# Altium PCB TCM.PcbDoc (part 6 of 10) (continued)
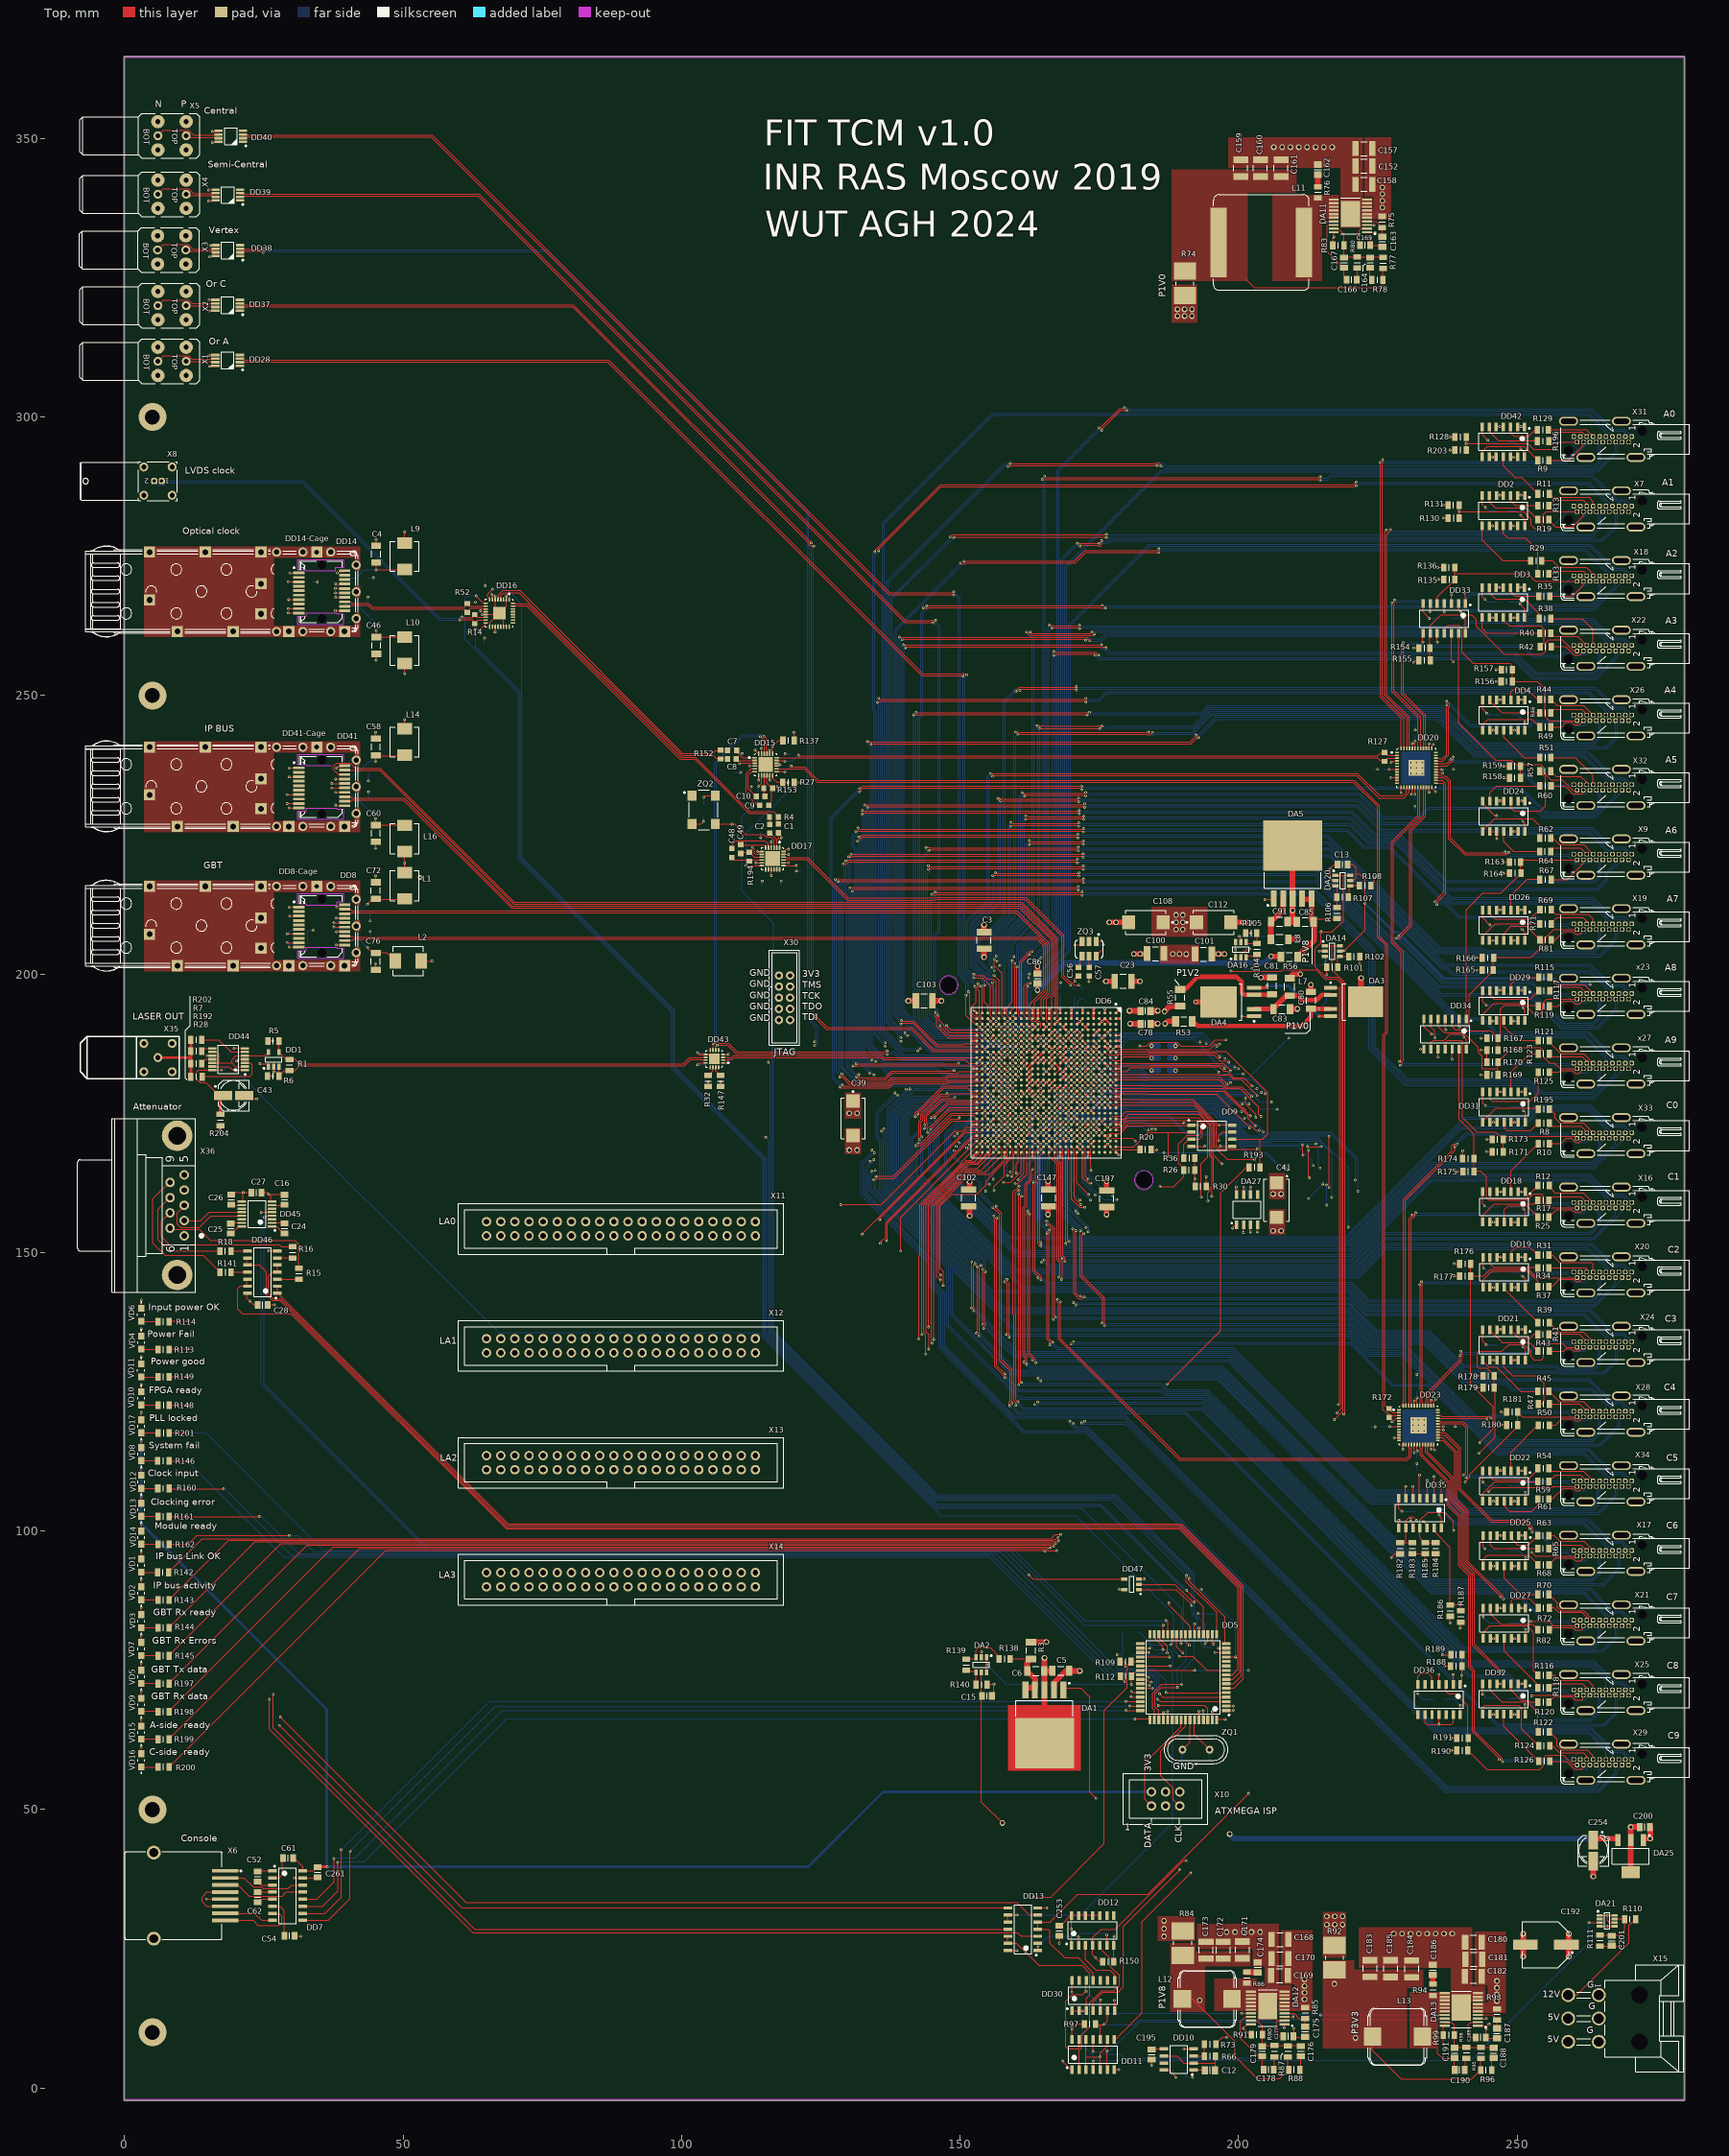
[diagram p0: Top view]
## Nets (pads, with @x,y where several pads share a name; then routed paths per layer and width w, separated by ;. In a path a pad name is that pad's centre, name@x,y a point inside that pad or via, vN(x,y) a via of type N, cw(c..) or ccw(c..) an arc to the next point about the centre after c; other vN are vias at no path point) (continued)
HDMIC7.TCM_DA1_N: DD6.R20 X21.9 | length 169.7
  Top w0.1: v1(163.5,174.5) DD6.R20@164,174
  L3 w0.1: v1(163.5,174.5) 164.095,173.904 164.095,168.453 164.064,168.421 164.064,166.38 163.841,166.157 163.841,165.5
  L3 w0.17: 163.841,165.5 163.841,164.453 162.682,163.294 162.682,160.501 163.28,159.903 163.28,142.313 164.42,141.173 164.42,127.652 164.475,127.597 164.475,127.025 v1(164.5,127)
  Bot w0.17: v1(164.5,127) 164.7,127.2 196.18,127.2 203.781,119.598 203.781,119.577 203.962,119.396 203.962,119.375
  Bot w0.2: 203.962,119.375 234.585,88.752 261.888,88.752 265.98,84.66 X21.9@265.98,84
HDMIC7.TCM_DA1_P: DD6.T20 X21.7 | length 171
  Top w0.1: v1(162.5,174.5) DD6.T20@163,174
  L3 w0.1: v1(162.5,174.5) 163.895,173.105 163.895,168.536 163.764,168.404 163.764,166.483 163.521,166.24 163.521,165.5
  L3 w0.17: 163.521,165.5 163.521,164.586 162.362,163.427 162.362,160.368 162.96,159.77 162.96,142.18 164.1,141.04 164.1,127.5 v1(164,127.4)
  Bot w0.17: v1(164,127.4) 164.228,127.4 164.348,127.52 196.312,127.52 204.116,119.716
  Bot w0.2: 204.116,119.716 234.73,89.102 262.033,89.102 X21.7@267.135,84
HDMIC7.TCM_DT0_N: DD6.AA20 X21.6 | length 193.2
  Top w0.1: v1(157.5,174.5) DD6.AA20@158,174
  Top w0.2: v1(156.6,156.2) 156.6,129.7 v1(158.1,128.2)
  Bot w0.1: 150.5,173.05 150.9,173.05 152.755,174.905 156.958,174.905 157.363,174.5 v1(157.5,174.5)
  Bot w0.2: 150.5,173.05 149.445,173.05 147.6,171.205 147.6,165.226 155.76,157.066 156.261,157.066 156.548,156.779 156.548,156.252 v1(156.6,156.2) ; v1(158.1,128.2) 158.59,127.71 158.59,127.477 160.667,125.4 186.305,125.4 187.005,124.7 194.079,124.7 240.121,78.658 240.179,78.6 240.25,78.6 240.528,78.55 263.511,78.55 263.622,78.582 263.629,78.584 263.63,78.585 ccw(c263.032,80.41) 263.674,78.6 265.255,78.6 265.314,78.659 267.691,81.035 267.691,82.978 X21.6@267.712,83
HDMIC7.TCM_DT0_P: DD6.AA19 X21.4 | length 194.9
  Top w0.1: v1(157.5,175.5) DD6.AA19@158,175
  Top w0.2: v1(156.058,156.576) 156.11,156.525 156.11,155.997 156.25,155.857 156.25,129.555 157.61,128.195 157.61,127.997 158.1,127.507 v1(158.1,127.5)
  Bot w0.1: 150.5,173.4 150.964,173.4 152.669,175.105 154.664,175.105 157.105,175.105 v1(157.5,175.5)
  Bot w0.2: 147.4,171.5 147.25,171.35 147.25,165.081 155.615,156.716 155.918,156.716 v1(156.058,156.576) ; 147.4,171.5 149.3,173.4 150.5,173.4 ; v1@158.24,127.332 160.522,125.05 186.16,125.05 186.86,124.35 193.934,124.35 240.034,78.25 265.4,78.25 268.041,80.89 268.041,82.173 X21.4@268.866,83
HDMIC7.TCM_DT1_N: DD6.AE20 X21.3 | length 198.4
  Top w0.1: 150.5,173.665 152.656,173.665 152.8,173.521 153.521,173.521 DD6.AE20@154,174
  Top w0.2: v1(134.5,163.1) 134.61,163.21 135.103,163.21 135.208,163.315 138.189,163.315 148.539,173.665 150.5,173.665
  Bot w0.2: v1(134.5,163.1) 134.5,161.313 148.315,147.498 148.315,138.817 159.232,127.9 196.427,127.9 234.875,89.452 262.946,89.452 267.065,85.333 268.772,85.333 269.445,84.66 X21.3@269.445,84
HDMIC7.TCM_DT1_P: DD6.AD20 X21.1 | length 200
  Top w0.1: v1(154.5,174.5) DD6.AD20@155,174
  Top w0.2: v1(134.9,163.7) 138.079,163.7 148.394,174.015 149.695,174.015 v1(149.858,174.178)
  L3 w0.1: 150.494,174.178 151.171,174.178 151.493,174.5 v1(154.5,174.5)
  L3 w0.17: v1(149.858,174.178) 150.494,174.178
  Bot w0.2: v1(134.9,163.7) 134.9,163.393 134.99,163.303 134.99,162.897 134.9,162.807 134.9,161.408 148.665,147.643 148.665,138.962 159.377,128.25 196.572,128.25 235.02,89.802 263.091,89.802 267.21,85.683 268.917,85.683 X21.1@270.6,84
HDMIC8.TCM_DA0_N: DD6.T19 X25.12 | length 186.3
  Top w0.1: DD6.T19@163,175 v1(163.5,175.5)
  Top w0.2: v1(160.4,123.2) 160.051,123.549 160.051,138.9 159.9,139.051 159.9,160.705 160.395,161.2 v1(160.6,161.2)
  Bot w0.1: 161.315,165.5 161.315,166.494 162.605,167.784 162.605,170.837 162.673,170.905 162.746,170.905 163.095,171.254 163.095,171.327 163.105,171.337 163.105,174.663 163.5,175.059 v1(163.5,175.5)
  Bot w0.2: v1(160.4,123.2) 161.5,122.1 193.515,122.1 193.715,121.9 241.492,74.123 247.585,74.123 255.466,66.242 263.238,66.242 264.65,67.655 264.65,70.097 X25.12@264.247,70.5 ; v1(160.6,161.2) 161.315,161.915 161.315,165.5
HDMIC8.TCM_DA0_P: DD6.T18 X25.10 | length 188.9
  Top w0.1: DD6.T18@163,176 v1(163.5,176.5)
  Top w0.2: v1(160.026,122.6) 160.026,122.881 159.91,122.997 159.91,123.195 159.701,123.404 159.701,138.755 159.55,138.906 159.55,160.85 v1(160.6,161.9)
  Bot w0.1: 160.965,165.5 160.965,166.511 162.405,167.951 162.405,170.92 162.59,171.105 162.664,171.105 162.895,171.336 162.895,174.313 162.905,174.323 162.905,175.464 163.5,176.059 v1(163.5,176.5)
  Bot w0.2: v1(160.026,122.6) 160.505,122.6 161.355,121.75 193.37,121.75 241.347,73.773 247.44,73.773 255.321,65.892 263.383,65.892 265,67.51 265,70.097 X25.10@265.402,70.5 ; v1(160.6,161.9) 160.805,161.9 160.965,162.06 160.965,165.5
HDMIC8.TCM_DA1_N: DD6.U20 X25.9 | length 178
  Top w0.1: DD6.U20@162,174 v1(162.5,173.5)
  L3 w0.1: 162.171,165.5 162.171,166.493 162.405,166.727 162.405,169.281 162.895,169.771 162.895,172.664 162.5,173.059 v1(162.5,173.5)
  L3 w0.17: 162.171,165.5 162.171,164.241 161.722,163.792 161.722,159.19 161.306,158.774 161.306,131.269 162.764,129.812 162.764,123.738 163.4,123.102 v1(163.4,122.728)
  Bot w0.2: v1(163.4,122.728) 163.4,122.7 163.435,122.665 164.125,122.665 164.265,122.805 193.354,122.805 239.959,76.2 240.45,75.709 263.288,75.709 265.98,73.016 X25.9@265.98,71.5
HDMIC8.TCM_DA1_P: DD6.U19 X25.7 | length 180.5
  Top w0.1: v1(161.5,175.5) DD6.U19@162,175
  L3 w0.1: v1(161.5,175.5) 161.5,175.058 161.895,174.664 161.895,174.546 162.546,173.895 162.664,173.895 162.895,173.664 162.895,173.381 163.105,173.171 163.105,169.699 162.605,169.199 162.605,166.538 162.491,166.424 162.491,165.5
  L3 w0.17: 162.491,165.5 162.491,164.109 162.042,163.659 162.042,159.058 161.626,158.642 161.626,131.402 163.084,129.944 163.084,123.871 163.8,123.155 v1(163.922,123.155)
  Bot w0.2: v1(163.922,123.155) 193.499,123.155 240.595,76.059 263.433,76.059 267.135,72.356 X25.7@267.135,71.5
HDMIC8.TCM_DT0_N: DD6.AB20 X25.6 | length 200.4
  Top w0.1: DD6.AB20@157,174 v1(157.5,173.5)
  Top w0.2: v1(156.5,158.359) 156.5,158.045 157.45,157.095 157.45,130.805 159.351,128.904 v1(159.351,123)
  Bot w0.1: 150.5,172.293 150.529,172.323 150.84,172.323 152.037,173.52 154.961,173.52 155.336,173.895 157.105,173.895 v1(157.5,173.5)
  Bot w0.2: 150.5,172.293 149.705,172.293 148.3,170.888 148.3,168.069 153.85,162.519 153.85,160.6 155.905,158.545 156.103,158.545 156.289,158.359 v1(156.5,158.359) ; v1(159.351,123) 159.39,122.961 159.39,122.505 160.495,121.4 190.552,121.4 246.597,65.355 265.599,65.355 267.712,67.469 X25.6@267.712,70.5
HDMIC8.TCM_DT0_P: DD6.AB19 X25.4 | length 201.5
  Top w0.1: v1(156.5,174.5) DD6.AB19@157,175
  Top w0.2: v1(155.9,158.055) 155.995,158.055 157.1,156.95 157.1,130.66 159.001,128.759 159.001,123.343 158.861,123.203 158.861,122.797 159.001,122.657 159.001,122.601 v1(158.9,122.5)
  Bot w0.1: 150.5,172.643 150.878,172.643 151.955,173.72 154.879,173.72 155.254,174.095 156.095,174.095 v1(156.5,174.5)
  Bot w0.2: 150.5,172.643 149.56,172.643 147.95,171.033 147.95,167.924 153.5,162.374 153.5,160.455 v1(155.9,158.055) ; v1(158.9,122.5) 160.35,121.05 190.407,121.05 246.452,65.005 265.744,65.005 267.783,67.044 268.062,67.324 268.062,69.695 X25.4@268.866,70.5
HDMIC8.TCM_DT1_N: DD6.AD19 X25.3 | length 209.9
  Top w0.1: DD6.AD19@155,175 v1(155.5,175.5)
  L3 w0.1: 150.5,175.219 154.222,175.219 154.336,175.105 154.664,175.105 155.058,175.5 v1(155.5,175.5)
  L3 w0.17: v1(134.125,164.642) 134.125,164.754 134.48,165.109 134.48,165.29 144.409,175.219 150.5,175.219
  Bot w0.2: v1(134.125,164.642) 134.125,164.444 133.66,163.979 133.66,161.163 147.615,147.208 147.615,136.79 160.755,123.65 193.644,123.65 240.886,76.409 263.578,76.409 263.586,76.4 263.719,76.4 267.527,72.592 269.013,72.592 269.445,72.16 X25.3@269.445,71.5
HDMIC8.TCM_DT1_P: DD6.AC19 X25.1 | length 210.8
  Top w0.1: DD6.AC19@156,175 v1(156.5,175.5)
  L3 w0.1: 150.5,174.899 155.015,174.899 155.041,174.873 155.873,174.873 v1(156.5,175.5)
  L3 w0.17: v1(134.8,164.757) 134.8,165.157 144.542,174.899 150.5,174.899
  Bot w0.2: v1(134.8,164.757) 134.615,164.572 134.615,164.439 134.01,163.834 134.01,161.308 147.965,147.353 147.965,136.935 160.9,124 193.789,124 241.031,76.759 263.723,76.759 263.731,76.75 263.864,76.75 264.014,76.6 267.672,72.942 269.158,72.942 X25.1@270.6,71.5
HDMIC9.TCM_DA0_N: DD6.R17 X29.12 | length 188.2
  Top w0.1: v1(163.5,177.5) DD6.R17@164,177
  L3 w0.1: v1(163.5,177.5) 163.9,177.1 163.9,175.659 164.895,174.664 164.895,166.425 164.481,166.011 164.481,165.5
  L3 w0.17: 164.481,165.5 164.481,164.046 163.922,163.487 163.922,162.259 163.602,161.939 163.602,147.067 165.302,145.368 165.302,123.646 169.225,119.722 169.225,119.503 169.503,119.225 169.897,119.225 169.972,119.3 v1(170.305,119.3)
  Bot w0.2: v1(170.305,119.3) 170.905,118.7 172.969,118.7 178.777,112.892 237.469,54.2 263.89,54.2 264.65,54.96 264.65,57.597 X29.12@264.247,58
HDMIC9.TCM_DA0_P: DD6.R16 X29.10 | length 188.6
  Top w0.1: DD6.R16@164,178 v1@164.5,177.5
  L3 w0.1: v1(164.5,177.5) 164.5,177.059 164.105,176.664 164.105,175.736 165.095,174.746 165.095,166.342 164.801,166.048 164.801,165.5
  L3 w0.17: 164.801,165.5 164.801,163.914 164.242,163.355 164.242,162.126 163.922,161.806 163.922,147.2 165.622,145.5 165.622,123.778 v1(169.7,119.7)
  Bot w0.2: v1(169.7,119.7) 169.815,119.585 169.815,119.097 170.102,118.81 170.3,118.81 170.76,118.35 172.824,118.35 237.074,54.1 237.324,53.85 264.035,53.85 265,54.815 265,57.597 X29.10@265.402,58
HDMIC9.TCM_DA1_N: DD6.N17 X29.9 | length 180.5
  Top w0.1: DD6.N17@166,177 166.5,176.5 v1(166.445,176.5)
  L3 w0.1: v1(166.445,176.5) 166.445,176.114 166.895,175.664 166.895,173.105 167.105,172.895 167.105,172.336 167.546,171.895 167.664,171.895 167.895,171.664 167.895,170.263 168.105,170.053 168.105,167.704 168.415,167.394 168.415,165.5
  L3 w0.17: 168.415,165.5 168.415,164.322 169.344,163.392 169.344,153.947 170.748,152.544 170.748,141.777 171.8,140.724 171.8,119.847 171.925,119.722 171.925,119.284 v1(171.808,119.4) v1(171.808,119.4)
  Bot w0.2: v1(171.808,119.4) 172.007,119.4 172.197,119.21 179.788,119.21 235.393,63.605 262.822,63.605 265.98,60.447 X29.9@265.98,59
HDMIC9.TCM_DA1_P: DD6.P16 X29.7 | length 182.1
  Top w0.1: DD6.P16@165,178 v1(165.5,177.5)
  L3 w0.1: v1(165.5,177.5) 166.105,176.895 166.608,176.895 167.105,176.399 167.105,173.336 167.347,173.095 167.464,173.095 167.895,172.663 167.895,171.946 168.105,171.736 168.105,171.664 168.105,171.336 168.105,170.336 168.305,170.136 168.305,167.885 168.665,167.525 168.665,166.136 168.735,166.066 168.735,165.5
  L3 w0.17: 168.735,165.5 168.735,164.454 169.664,163.525 169.664,154.08 171.068,152.676 171.068,141.909 172.12,140.857 172.12,119.98 v1(172.4,119.7)
  Bot w0.2: v1(172.4,119.7) 172.54,119.56 179.933,119.56 235.538,63.955 262.967,63.955 267.135,59.787 X29.7@267.135,59
HDMIC9.TCM_DT0_N: DD6.V17 X29.6 | length 228.9
  Top w0.1: v1(160.5,177.5) DD6.V17@161,177
  L3 w0.1: 150.5,176.789 152.732,176.789 152.837,176.895 159.894,176.895 v1(160.5,177.5)
  L3 w0.17: v1(134.6,167.9) 143.489,176.789 150.5,176.789
  Bot w0.2: v1(134.6,167.9) 134.25,167.55 132.593,165.893 132.593,160.417 144.969,148.041 144.969,144.136 146.565,142.54 146.565,132.945 161.56,117.95 172.726,117.95 237.076,53.6 237.079,53.6 237.179,53.5 264.565,53.5 267.712,56.647 X29.6@267.712,58
HDMIC9.TCM_DT0_P: DD6.V16 X29.4 | length 231.8
  Top w0.1: v1(160.5,178.5) DD6.V16@161,178
  L3 w0.1: 150.5,177.109 152.533,177.109 152.537,177.105 159.663,177.105 159.895,177.336 159.895,177.5 160.5,178.105 v1(160.5,178.5)
  L3 w0.17: v1(134.2,168.437) 134.685,168.437 143.357,177.109 150.5,177.109
  Bot w0.2: v1(134.2,168.437) 134.2,168.193 134.11,168.103 134.11,167.905 133.9,167.695 132.243,166.038 132.243,160.272 144.619,147.896 144.619,143.991 146.215,142.395 146.215,132.8 161.415,117.6 172.581,117.6 236.781,53.4 236.931,53.25 236.934,53.25 237.034,53.15 264.71,53.15 268.062,56.502 268.062,57.195 X29.4@268.866,58
HDMIC9.TCM_DT1_N: DD6.Y18 X29.3 | length 223.6
  Top w0.1: DD6.Y18@159.001,176 v1(159.5,175.5)
  L3 w0.1: 150.5,175.8 152.685,175.8 152.78,175.895 157.663,175.895 158.336,175.895 ; 158.336,175.895 159.106,175.895 v1(159.5,175.5)
  L3 w0.17: v1(133.9,166.4) 134.171,166.4 134.346,166.225 134.739,166.225 134.894,166.38 135.118,166.38 144.537,175.8 150.5,175.8
  Bot w0.2: v1(133.9,166.4) 133.9,166.202 132.95,165.252 132.95,160.555 145.319,148.186 145.319,144.281 146.915,142.685 146.915,133.09 159.655,120.35 179.637,120.35 235.682,64.305 263.264,64.305 267.278,60.291 268.814,60.291 269.445,59.66 X29.3@269.445,59
HDMIC9.TCM_DT1_P: DD6.Y17 X29.1 | length 223.6
  Top w0.1: DD6.Y17@159,177 v1@159.5,176.5
  L3 w0.1: 150.5,176.12 155.321,176.12 155.336,176.105 159.104,176.105 v1(159.5,176.5)
  L3 w0.17: v1(134.542,166.7) 134.985,166.7 144.405,176.12 150.5,176.12
  Bot w0.2: v1(134.542,166.7) 134.542,166.5 134.39,166.347 134.39,166.197 133.3,165.107 133.3,160.7 145.669,148.331 145.669,144.426 147.265,142.83 147.265,133.235 159.8,120.7 179.782,120.7 235.827,64.655 263.409,64.655 267.423,60.641 268.959,60.641 X29.1@270.6,59
HDMIC_LHC.0_LHC_CLK_N: DD23.47 X33.19 | length 73.2
  Top w0.2: DD23.47@230.055,122.503 230.055,123.003 229.98,123.078 229.98,159.405 238.82,168.245 v1(238.82,169.034)
  Bot w0.2: v1(238.82,169.034) 238.775,169.079 238.874,169.178 238.775,169.277 238.775,169.683 239.062,169.97 239.275,169.97 240.805,171.5 X33.19@260.205,171.5
HDMIC_LHC.0_LHC_CLK_P: DD23.48 X33.14 | length 76.6
  Top w0.2: DD23.48@229.555,122.503 229.555,123.003 229.63,123.078 229.63,159.55 238.341,168.261 238.33,168.273 238.33,169.27 238.584,169.524 239.023,169.524
  Bot w0.2: v1(239.265,169.48) 239.28,169.48 240.95,171.15 259.045,171.15 260.451,169.744 262.336,169.744 X33.14@263.092,170.5
HDMIC_LHC.1_LHC_CLK_N: DD23.45 X16.19 | length 64.3
  Top w0.2: DD23.45@231.055,122.503 231.055,123.003 230.98,123.078 230.98,156.014 231.234,156.268 231.432,156.268 231.719,156.555 231.719,157.046 v1(231.797,157.124)
  Bot w0.2: v1(231.797,157.124) 231.82,157.1 252.688,157.1 254.608,159.02 259.111,159.02 259.13,159 X16.19@260.205,159
HDMIC_LHC.1_LHC_CLK_P: DD23.46 X16.14 | length 68.4
  Top w0.2: DD23.46@230.555,122.503 230.555,123.003 230.63,123.078 230.63,156.159 v1(231.229,156.758)
  Bot w0.2: v1(231.229,156.758) 231.354,156.634 232,156.634 232.117,156.75 252.833,156.75 252.996,156.913 254.753,158.67 257.677,158.67 258.966,158.67 260.617,157.018 261.927,157.018 262.909,158 X16.14@263.092,158
HDMIC_LHC.2_LHC_CLK_N: DD23.41 X20.19 | length 50.4
  Top w0.2: v1(232.863,144.776) 232.863,144.515 232.974,144.403 232.974,144.205 232.98,144.2 232.98,123.078 233.055,123.003 DD23.41@233.055,122.503
  Bot w0.2: v1(232.863,144.776) 251.57,144.776 253.294,146.5 X20.19@260.205,146.5
HDMIC_LHC.2_LHC_CLK_P: DD23.42 X20.14 | length 54.1
  Top w0.2: v1(232.484,144.2) 232.63,144.055 232.63,123.078 232.555,123.003 DD23.42@232.555,122.503
  Bot w0.2: v1(232.484,144.2) 232.569,144.286 233.065,144.286 233.205,144.426 251.715,144.426 251.817,144.528 253.439,146.15 258.895,146.15 260.333,144.713 262.305,144.713 X20.14@263.092,145.5
HDMIC_LHC.3_LHC_CLK_N: DD23.39 X24.19 | length 33.7
  Top w0.2: DD23.39@234.055,122.503 234.055,123.003 233.98,123.078 233.98,124.455 240.08,130.555 240.08,131.208 240.22,131.348 240.22,131.754 239.9,132.074 v1(239.9,132.272)
  Bot w0.2: v1(239.9,132.272) 240.038,132.135 251.882,132.135 253.75,134.004 259.274,134.004 259.278,134 X24.19@260.205,134
HDMIC_LHC.3_LHC_CLK_P: DD23.40 X24.14 | length 36.7
  Top w0.2: DD23.40@233.555,122.503 233.555,123.003 233.63,123.078 233.63,124.6 239.73,130.7 v1(239.73,131.551)
  Bot w0.2: v1(239.73,131.551) 239.961,131.782 241.098,131.782 241.1,131.785 252.027,131.785 253.892,133.65 257.607,133.65 257.61,133.654 259.129,133.654 260.504,132.278 262.187,132.278 262.909,133 X24.14@263.092,133
HDMIC_LHC.4_LHC_CLK_N: DD23.33 X28.19 | length 25.2
  Top w0.2: DD23.33@235.805,120.253 236.455,120.253 244.447,120.253 v1(244.6,120.1)
  Bot w0.2: v1(244.6,120.1) 244.6,120.293 245.11,120.803 247.541,120.803 248.238,121.5 259.213,121.5 X28.19@260.205,121.5
HDMIC_LHC.4_LHC_CLK_P: DD23.34 X28.14 | length 28.7
  Top w0.2: DD23.34@235.805,120.753 236.305,120.753 236.455,120.603 245.05,120.603 245.3,120.353 v1(245.3,120.3)
  Bot w0.2: v1(245.3,120.3) 245.453,120.453 247.686,120.453 247.817,120.583 248.383,121.15 259.055,121.15 260.405,119.8 262.392,119.8 X28.14@263.092,120.5
HDMIC_LHC.5_LHC_CLK_N: DD23.31 X34.19 | length 34.4
  Top w0.2: DD23.31@235.805,119.253 240.15,119.253 240.817,118.586 240.817,110.482 v1(240.394,110.059)
  Bot w0.2: v1(240.394,110.059) 240.493,109.96 240.637,110.104 241.043,110.104 241.173,109.974 249.728,109.974 250.702,109 X34.19@260.205,109
HDMIC_LHC.5_LHC_CLK_P: DD23.32 X34.14 | length 38.6
  Top w0.2: DD23.32@235.805,119.753 236.117,119.753 236.267,119.603 240.295,119.603 240.832,119.066 241.167,118.731 241.167,109.941 v1(240.84,109.614)
  Bot w0.2: v1(240.84,109.614) 240.85,109.624 249.583,109.624 250.557,108.65 259.029,108.65 260.456,107.223 262.315,107.223 X34.14@263.092,108
HDMIC_LHC.6_LHC_CLK_N: DD23.27 X17.19 | length 37.4
  Top w0.2: DD23.27@235.805,117.253 237.003,117.253 239.55,114.706 239.55,107.437 245.375,101.612 251.288,101.612 252.3,100.6 v1(252.3,100.4)
  Bot w0.2: v1(252.3,100.4) 252.41,100.29 252.903,100.29 253.043,100.15 253.65,100.15 257.3,96.5 X17.19@260.205,96.5
HDMIC_LHC.6_LHC_CLK_P: DD23.28 X17.14 | length 42.1
  Top w0.2: DD23.28@235.805,117.753 236.493,117.753 236.628,117.618 237.133,117.618 237.824,116.927 239.9,114.851 239.9,107.582 245.52,101.962 251.433,101.962 252.511,100.884 252.7,100.695 252.7,100.693 252.79,100.603 252.79,100.197 252.7,100.107 v1(252.7,99.8)
  Bot w0.2: v1(252.7,99.8) 253.505,99.8 257.155,96.15 259.05,96.15 260.556,94.644 262.236,94.644 X17.14@263.092,95.5
HDMIC_LHC.7_LHC_CLK_N: DD23.25 X21.19 | length 48.4
  Top w0.2: DD23.25@235.805,116.253 236.671,116.253 238.85,114.074 238.85,105.522 240.92,103.452 240.92,94.356 247.076,88.2 v1(247,88.2)
  Bot w0.2: v1(247,88.2) 247.2,88.4 250.649,88.4 255.049,84 X21.19@260.205,84
HDMIC_LHC.7_LHC_CLK_P: DD23.26 X21.14 | length 52.8
  Top w0.2: DD23.26@235.805,116.753 236.666,116.753 237.126,116.293 239.2,114.219 239.2,105.667 241.167,103.7 241.27,103.597 241.27,94.501 247.081,88.69 247.203,88.69 247.49,88.403 247.49,87.875 v1(247.565,87.8)
  Bot w0.2: v1(247.565,87.8) 247.815,88.05 250.505,88.05 254.905,83.65 259.05,83.65 260.46,82.24 262.488,82.24 263.092,82.844 X21.14@263.092,83
HDMIC_LHC.8_LHC_CLK_N: DD23.21 X25.19 | length 61.6
  Top w0.2: DD23.21@233.555,115.503 233.555,115.498 233.554,114.074 238.15,109.478 238.15,105.232 240.22,103.163 240.22,94.066 242.05,92.236 242.05,79.514 246.587,74.977 v1(246.587,74.813)
  Bot w0.2: v1(246.587,74.813) 246.774,75.001 246.774,75.014 247.061,75.301 247.57,75.301 247.822,75.048 250.339,72.531 250.339,72.389 251.228,71.5 X25.19@260.205,71.5
HDMIC_LHC.8_LHC_CLK_P: DD23.22 X25.14 | length 64.7
  Top w0.2: DD23.22@234.055,115.503 233.945,115.393 233.945,115.081 233.904,115.041 233.904,114.219 238.5,109.623 238.5,105.377 240.57,103.307 240.57,94.211 242.4,92.381 242.4,79.659 246.601,75.458 246.756,75.303 246.79,75.303 247.077,75.016 247.077,74.982 v1@247.248,74.811
  Bot w0.2: v1(247.264,74.811) 247.565,74.811 249.989,72.386 249.989,72.244 251.084,71.15 258.988,71.15 260.477,69.66 262.253,69.66 X25.14@263.092,70.5
HDMIC_LHC.9_LHC_CLK_N: DD23.19 X29.19 | length 75.9
  Top w0.2: DD23.19@232.555,115.503 232.555,115.003 232.63,114.928 232.63,113.555 237.45,108.735 237.45,104.655 239.505,102.6 239.505,102.47 239.52,102.455 239.52,93.776 241.307,91.989 241.307,75.556 242.05,74.813 242.05,63.951 246.803,59.198 v1(246.803,59)
  Bot w0.2: v1(246.803,59) 247.107,59 247.197,59.09 247.603,59.09 247.693,59 X29.19@260.205,59
HDMIC_LHC.9_LHC_CLK_P: DD23.20 X29.14 | length 79.5
  Top w0.2: DD23.20@233.055,115.503 233.055,115.003 232.98,114.928 232.98,113.7 237.8,108.88 237.8,104.8 239.87,102.73 239.87,93.921 241.657,92.134 241.657,75.701 242.297,75.061 242.4,74.958 242.4,64.096 247.293,59.203 247.293,58.706 v1(247.4,58.6)
  Bot w0.2: v1@247.4,58.51 247.54,58.65 258.947,58.65 260.297,57.3 262.392,57.3 X29.14@263.092,58
IN_PWR_OK: DA21.3 DD5.37 DD13.12 DD13.13 DD30.1 DD30.2 DD30.3 R109.1 | length 204.3
  Top w0.15: DD13.12@158.526,27.256 158.526,25.986 160.151,25.986 v1(161.9,24.237) 164.137,22 171.9,22 173.3,20.6 173.3,16.7 172.654,16.054 172.654,13.87 v1(172,13.87) 171.384,13.87 DD30.1@170.114,13.87 ; v1(163.2,34.3) 166.3,34.3 175.9,43.9 175.9,67.8 180.04,71.94 180.04,73.15 179.9,73.29 179.9,75.047 180.135,75.283 180.135,76.009 180.713,76.587 180.718,76.582 DD5.37@182.586,76.582 ; v1(262.889,29.7) DA21.3@264.95,29.7
  L3 w0.15: v1(161.9,24.237) 161.9,33 v1(163.2,34.3)
  Bot w0.15: v1(172,13.87) 172,7.7 174.7,5 241.8,5 262.889,26.089 v1(262.889,29.7)
IN_PWR_OK_LED: DD13.11 R114.1 | length 229.6
  Top w0.15: R114.1@8,137.65 8.05,137.7 v1(11.4,137.7) ; v1(26.7,70.7) 26.7,64.7 62.874,28.526 DD13.11@158.526,28.526
  L3 w0.15: v1(11.4,137.7) 26.7,122.4 v1(26.7,70.7)
LA0_0: DD6.W20 X11.37 | length 59.4
  Top w0.1: DD6.W20@160,174 v1(160.5,174.5)
  L3 w0.1: 150.5,172.894 151.303,172.894 152.304,173.895 159.895,173.895 v1(160.5,174.5)
  L3 w0.15: X11.37@110.72,153 112,154.28 120.413,154.28 127.416,161.283 135.373,161.283 146.984,172.894 150.5,172.894
LA0_1: DD6.Y20 X11.35 | length 62
  Top w0.1: DD6.Y20@159,174 v1(159.5,174.5)
  L3 w0.1: 150.5,173.171 151.297,173.171 152.23,174.105 159.105,174.105 v1(159.5,174.5)
  L3 w0.15: X11.35@108.18,153 109.399,154.219 109.399,156.1 110.299,157 122.709,157 127.292,161.583 135.248,161.583 146.836,173.171 150.5,173.171
LA0_2: DD6.U21 X11.33 | length 66.4
  Top w0.1: v1(161.5,173.5) DD6.U21@162,173
  L3 w0.1: 150.5,172.308 152.4,172.308 152.996,172.905 156.063,172.905 160.905,172.905 v1(161.5,173.5)
  L3 w0.15: X11.33@105.64,153 107.251,151.389 118.371,151.389 127.665,160.683 137.507,160.683 149.132,172.308 150.5,172.308
LA0_3: DD6.V21 X11.31 | length 69.3
  Top w0.1: v1(160.5,173.5) DD6.V21@161,173
  L3 w0.1: 150.5,172.64 152.051,172.64 152.086,172.605 152.414,172.605 152.913,173.105 155.981,173.105 160.104,173.105 v1(160.5,173.5)
  L3 w0.15: X11.31@103.1,153 103.381,153 104.597,154.216 106.378,154.216 106.997,153.597 106.997,152.604 107.86,151.741 118.299,151.741 127.541,160.983 135.497,160.983 147.154,172.64 150.5,172.64
LA0_4: DD6.W21 X11.29 | length 69.8
  Top w0.1: v1(159.5,173.5) DD6.W21@160,173
  L3 w0.15: X11.29@100.56,153 102.471,151.089 118.495,151.089 127.789,160.383 137.648,160.383 148.601,171.336 v1(149.5,171.336)
  Bot w0.1: 150.5,171.336 150.927,171.336 152.195,172.605 152.414,172.605 152.913,173.104 159.104,173.104 v1(159.5,173.5)
  Bot w0.15: v1@149.383,171.336 v1(149.5,171.336) 150.5,171.336
LA0_5: DD6.Y21 X11.27 | length 72.4
  Top w0.1: DD6.Y21@159,173 v1(159.5,172.5)
  L3 w0.15: X11.27@98.02,153 100.231,150.789 118.619,150.789 127.913,160.083 138.074,160.083 148.859,170.868 v1(149,170.868)
  Bot w0.1: 150.5,170.868 150.959,170.868 152.986,172.895 159.105,172.895 v1(159.5,172.5)
  Bot w0.15: v1(149,170.868) 150.5,170.868
LA0_6: DD6.AB21 X11.25 | length 73.1
  Top w0.1: DD6.AB21@157,173 v1(157.5,172.5)
  L3 w0.1: 150.5,170.15 150.881,170.15 152.036,171.305 153.654,171.305 154.254,171.905 156.463,171.905 157.058,172.499 v1(157.5,172.5)
  L3 w0.15: X11.25@95.48,153 98.291,150.189 118.868,150.189 128.162,159.483 138.556,159.483 149.223,170.15 150.5,170.15
LA0_7: DD6.AC21 X11.23 | length 75.9
  Top w0.1: DD6.AC21@156,173 v1(156.5,172.5)
  L3 w0.1: 150.5,170.4 150.535,170.4 152.24,172.105 156.105,172.105 v1(156.5,172.5)
  L3 w0.15: X11.23@92.94,153 94.197,154.257 96.116,154.257 96.768,153.605 96.768,152.787 99.066,150.489 118.744,150.489 128.038,159.783 138.432,159.783 149.049,170.4 150.5,170.4
LA0_8: DD6.AD21 X11.21 | length 75.5
  Top w0.1: v1(154.5,172.5) DD6.AD21@155,173
  L3 w0.15: X11.21@90.4,153 93.511,149.889 118.992,149.889 128.286,159.183 138.68,159.183 149.197,169.7 v1(149.8,169.7)
  Bot w0.1: 150.5,170.02 152.881,172.401 154.402,172.401 v1(154.5,172.5)
  Bot w0.15: v1(149.8,169.7) 150.18,169.7 150.5,170.02
LA0_9: DD6.AE21 X11.19 | length 77.3
  Top w0.1: 150.5,171.781 151.218,172.5 153.5,172.5 DD6.AE21@154,173
  Top w0.15: v1(128.6,158.6) 135.934,158.6 149.115,171.781 150.5,171.781
  L3 w0.15: X11.19@87.86,153 91.271,149.589 119.116,149.589 128.127,158.6 v1(128.6,158.6)
LA0_10: DD6.U22 X11.17 | length 88
  Top w0.1: v1(161.5,172.5) DD6.U22@162,172
  L3 w0.15: X11.17@85.32,153 89.031,149.289 119.241,149.289 128.008,158.056 137.984,158.056 148.986,169.059 v1(149.3,169.059)
  Bot w0.1: 150.5,169.519 152.877,171.895 156.054,171.895 156.254,172.095 161.095,172.095 v1(161.5,172.5)
  Bot w0.15: v1(149.3,169.059) 150.04,169.059 150.5,169.519
LA0_11: DD6.V22 X11.15 | length 89.7
  Top w0.1: v1(160.509,171.5) 160.509,171.509 DD6.V22@161,172
  L3 w0.15: X11.15@82.78,153 86.791,148.989 119.365,148.989 128.133,157.756 138.356,157.756 v1(148.9,168.3)
  Bot w0.1: 150.5,168.921 153.274,171.695 156.137,171.695 156.336,171.895 160.114,171.895 v1(160.509,171.5)
  Bot w0.15: v1(148.9,168.3) 149.879,168.3 150.5,168.921
LA0_12: DD6.Y22 X11.13 | length 90.5
  Top w0.1: v1(158.5,171.5) DD6.Y22@159,172
  L3 w0.1: 150.5,168.883 152.522,170.905 157.905,170.905 v1(158.5,171.5)
  L3 w0.15: X11.13@80.24,153 84.851,148.389 119.613,148.389 128.37,157.146 138.763,157.146 150.5,168.883
LA0_13: DD6.AA22 X11.11 | length 95.3
  Top w0.1: DD6.AA22@158,172 v1(158.5,172.5)
  L3 w0.1: 150.5,169.3 152.305,171.105 157.664,171.105 157.895,171.336 157.895,171.499 158.5,172.104 v1(158.5,172.5)
  L3 w0.15: X11.11@77.7,153 79.009,154.309 80.961,154.309 81.457,153.814 81.457,152.577 82.334,151.7 82.763,151.7 85.775,148.689 119.489,148.689 128.246,157.446 138.646,157.446 150.5,169.3
LA0_14: DD6.AB22 X11.9 | length 95.1
  Top w0.1: DD6.AB22@157,172 v1(157.5,171.5)
  L3 w0.1: 150.5,168.104 v1(151.2,168.804)
  L3 w0.15: X11.9@75.16,153 75.16,152.447 79.518,148.089 119.738,148.089 128.495,156.846 139.242,156.846 150.5,168.104
  Bot w0.1: v1(151.2,168.804) 151.907,168.804 154.208,171.105 156.664,171.105 157.059,171.5 v1(157.5,171.5)
LA0_15: DD6.AC22 X11.7 | length 97.4
  Top w0.1: DD6.AC22@156,172 v1(156.5,171.5)
  L3 w0.1: 150.5,166.7 151.677,167.877 v1(151.677,169.337)
  L3 w0.15: X11.7@72.62,153 77.831,147.789 119.862,147.789 128.619,156.546 140.346,156.546 150.5,166.7
  Bot w0.1: v1(151.677,169.337) 153.817,171.477 156.477,171.477 v1(156.5,171.5)
LA1_0: DD6.AF22 X12.37 | length 60.7
  Top w0.1: 150.5,171.428 151.072,172 DD6.AF22@153,172
  Top w0.15: v1(132.4,153.3) 132.4,153.328 150.5,171.428
  L3 w0.15: X12.37@110.72,132 111.923,133.203 111.923,136.337 128.886,153.3 v1(132.4,153.3)
LA1_1: DD6.V23 X12.35 | length 74.4
  Top w0.1: DD6.V23@161,171 v1(161.5,171.5)
  L3 w0.1: 155.6,165.5 160.205,170.105 160.664,170.105 161.105,170.546 161.105,170.663 161.5,171.058 v1(161.5,171.5)
  L3 w0.15: X12.35@108.18,132 109.554,130.626 111.396,130.626 112.223,131.452 112.223,135.788 128.902,152.468 136.142,152.468 137.409,153.735 142.014,153.735 150.304,162.025 151.54,162.025 ccw(c151.717,162.676) 151.802,162.007 151.945,162.025 152.193,162.069 155.5,165.376 155.5,165.4 155.6,165.5
LA1_2: DD6.W23 X12.33 | length 71.9
  Top w0.1: v1(159.5,171.5) DD6.W23@160,171
  L3 w0.1: 154.164,165.5 156.895,168.231 156.895,168.454 158.336,169.895 158.454,169.895 159.105,170.546 159.105,170.664 159.5,171.059 v1(159.5,171.5)
  L3 w0.15: X12.33@105.64,132 107.015,133.375 108.749,133.375 109.294,133.919 109.294,134.784 109.541,135.119 cw(c111.439,133.72) 109.691,135.303 109.775,135.395 cw(c110.72,134.54) 109.821,135.444 128.783,154.335 141.749,154.335 152.614,165.2 153.864,165.2 154.164,165.5
LA1_3: DD6.Y23 X12.31 | length 75.7
  Top w0.1: DD6.Y23@159,171 v1(159.5,170.5)
  L3 w0.1: 155.2,165.5 159.5,169.8 v1(159.5,170.5)
  L3 w0.15: X12.31@103.1,132 104.58,130.52 105.96,130.52 107.105,131.665 107.105,132.445 107.735,133.075 108.874,133.075 109.594,133.795 109.594,134.701 109.594,134.74 109.613,134.774 cw(c111.439,133.72) 109.876,135.135 109.959,135.227 cw(c110.72,134.54) 110.137,135.383 110.24,135.454 cw(c111.439,133.72) 110.302,135.496 110.434,135.58 128.889,154.035 141.873,154.035 152.738,164.9 154.6,164.9 155.2,165.5
LA1_4: DD6.AA23 X12.29 | length 74.9
  Top w0.1: v1(157.5,170.5) DD6.AA23@158,171
  L3 w0.1: 152.49,165.5 155.885,168.895 156.453,168.895 156.895,169.337 156.895,169.894 v1(157.5,170.5)
  L3 w0.15: X12.29@100.56,132 101.992,133.432 101.992,135.085 103.808,136.901 110.671,136.901 128.405,154.635 141.625,154.635 152.49,165.5